# Altium PCB 底板20160428.PcbDoc (part 1 of 2) (continued)
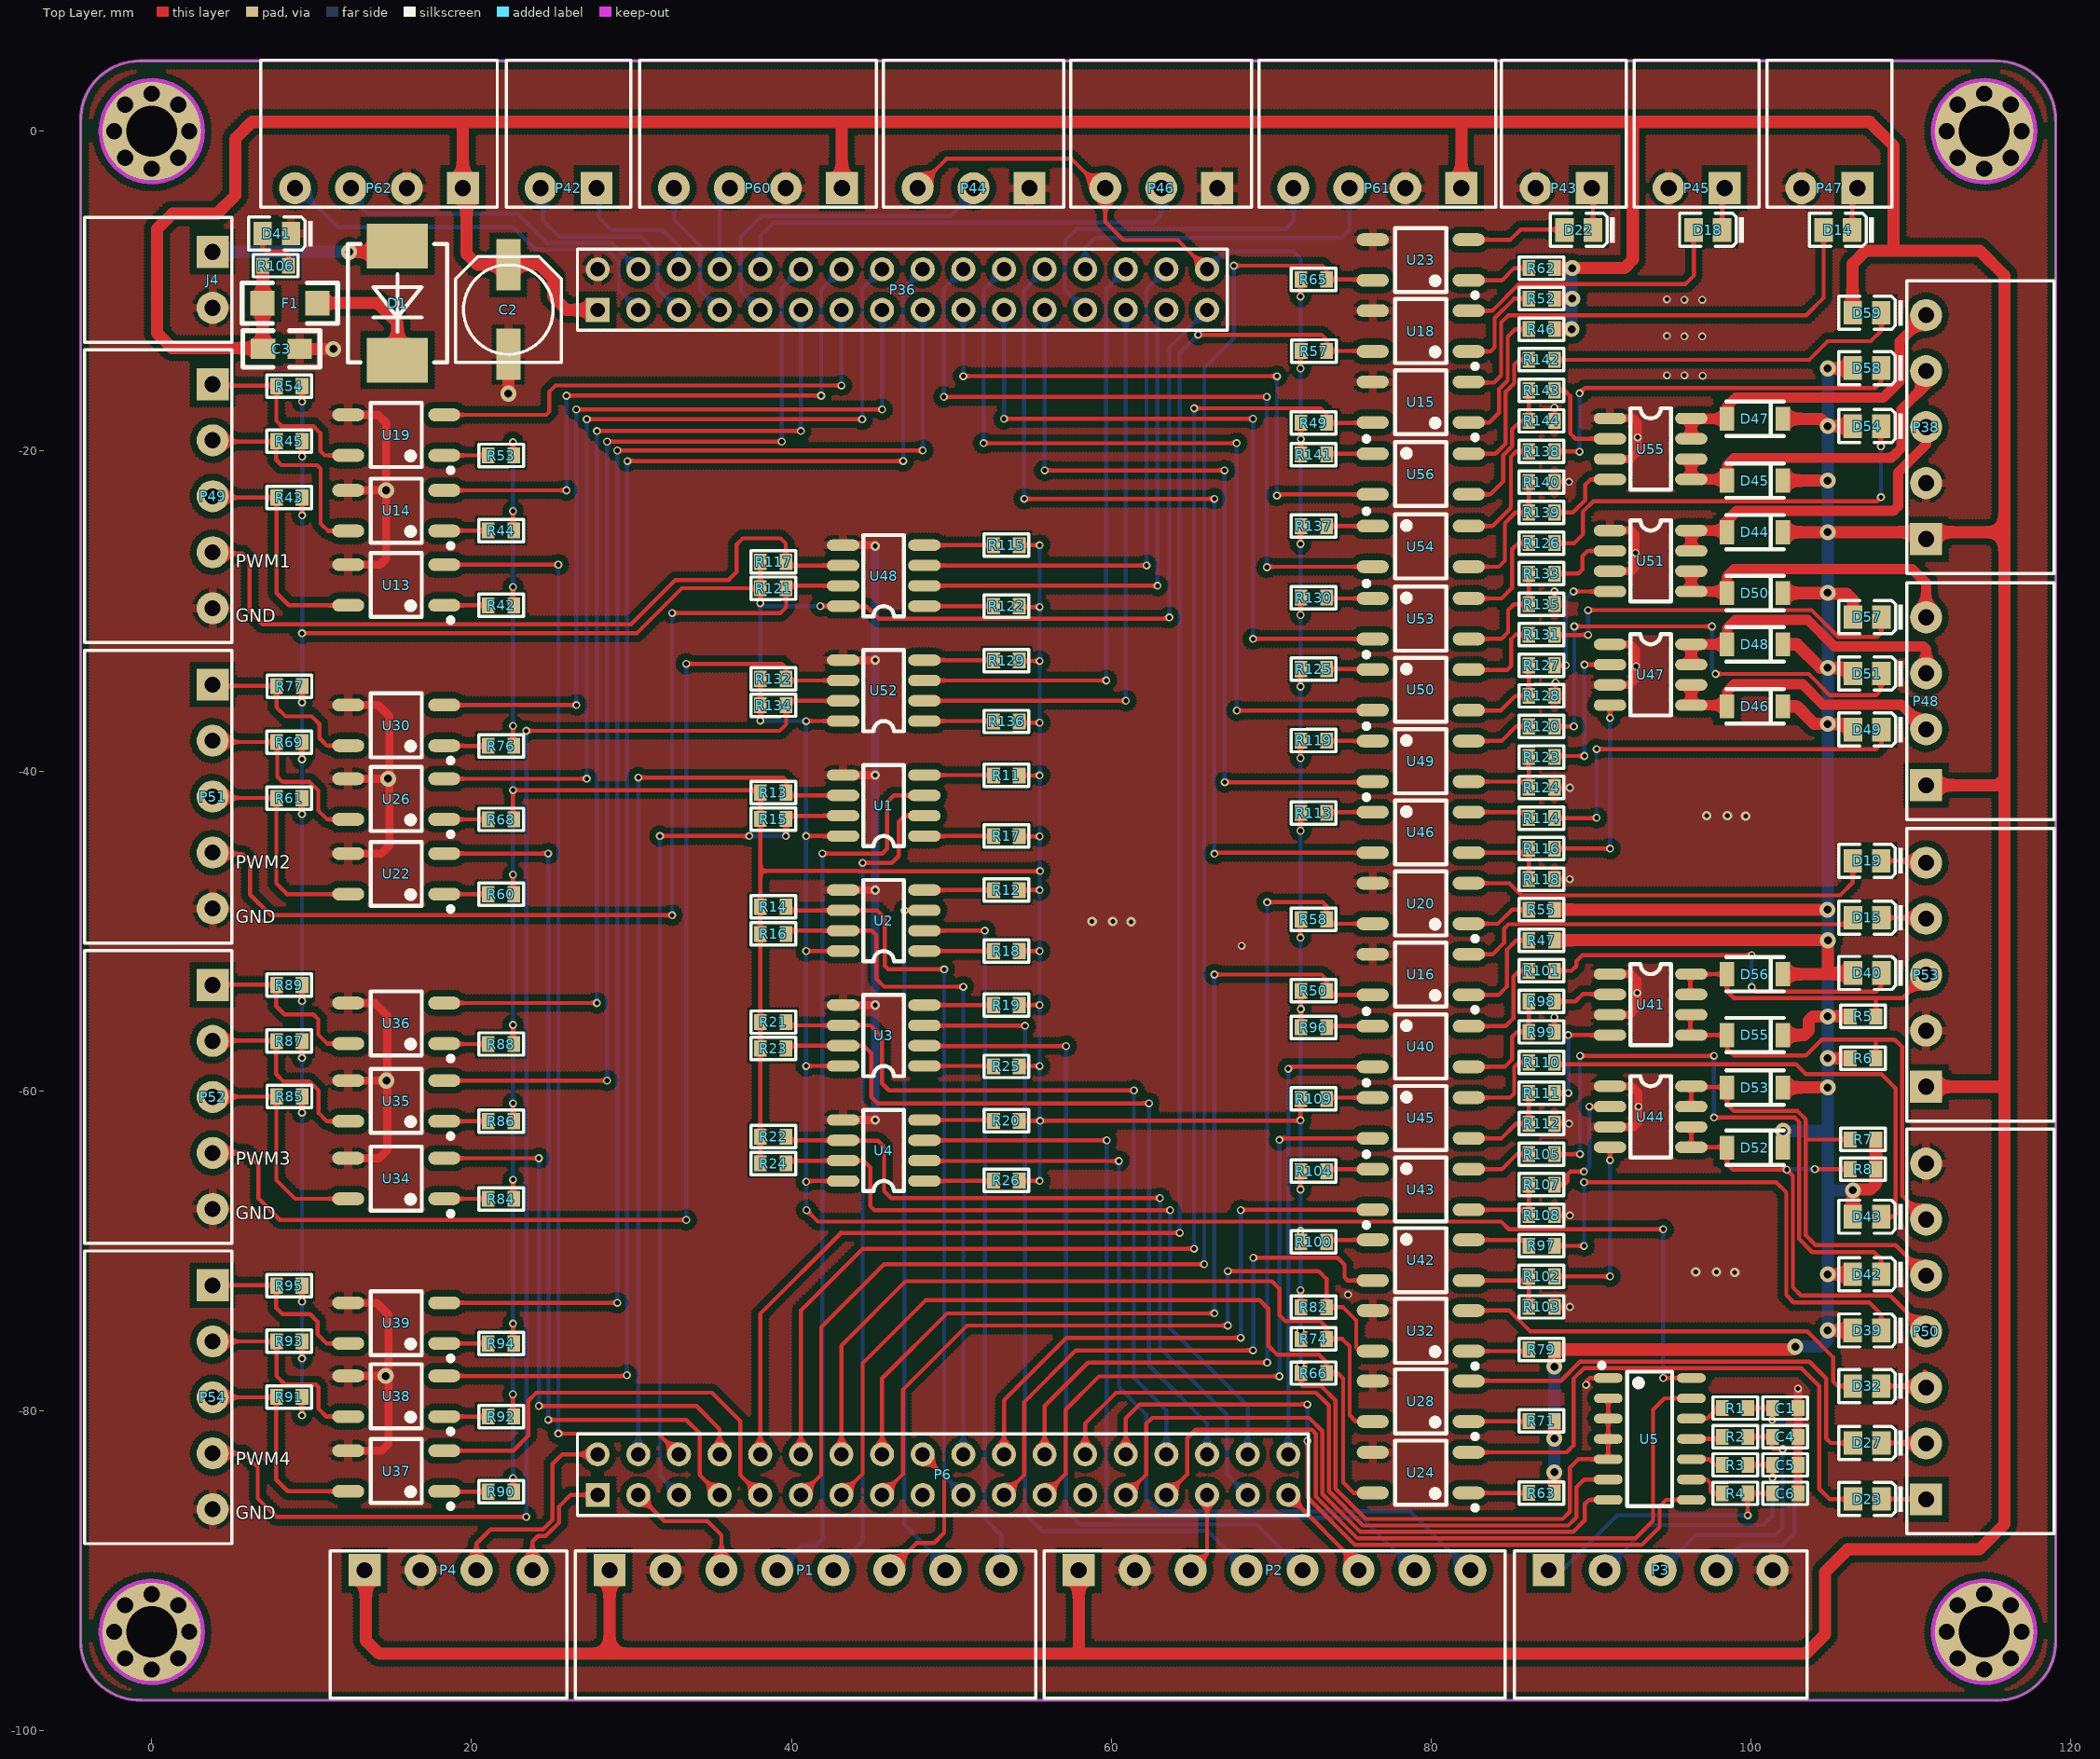
[diagram p0: Top Layer view]
## Components (designator, comment, footprint, x,y, rotation, side; value= is the part's Value field where it differs from the comment) (continued)
U46 "TLP127" LC-SOP-4_P2.54 76.352,-42.57 r0 top
U47 "AF4920GW" SO-8 91.186,-32.08 r0 top
U48 "HCPL0630" SO-8 48.311,-29.693 r180 top
U49 "TLP127" LC-SOP-4_P2.54 76.352,-38.125 r0 top
U50 "TLP127" LC-SOP-4_P2.54 76.352,-33.655 r0 top
U51 "AF4920GW" SO-8 91.186,-24.968 r0 top
U52 "HCPL0630" SO-8 48.311,-36.881 r180 top
U53 "TLP127" LC-SOP-4_P2.54 76.352,-29.21 r0 top
U54 "TLP127" LC-SOP-4_P2.54 76.352,-24.689 r0 top
U55 "AF4920GW" SO-8 91.186,-17.958 r0 top
U56 "TLP127" LC-SOP-4_P2.54 76.352,-20.168 r0 top
? "" "定位孔 Φ3.2" 0,-93.828 r0 top
? "" "定位孔 Φ3.2" 114.579,-93.828 r0 top
? "" "定位孔 Φ3.2" 114.579,0 r0 top
? "" "定位孔 Φ3.2" 0,0 r0 top

## Footprints (in the part's own frame and the unit in brackets; to place one, negate y for a bottom-side part, rotate by r counter-clockwise, add the part's x,y. Pads: shape width x height; smd on the part's side, far side on the other; paste and mask are expansions set on the pad)
0603 [mm]
  rect 0.8x1 smd: 1(-0.8,0) 2(0.8,0)
  silkscreen extent -1.4,-0.7 1.4,0.7, body extent -0.8,-0.37 0.8,0.43, height 0.45
0805 [mil]
  rect 60x50 smd: 1(0,0) 2(90,0)
  silkscreen extent -50,-45 140,45
1206 [mil]
  rect 60x60 smd: 1(0.22,-0.6) 2(135.22,-0.6)
  silkscreen extent -50,-51 185,49
CC6.56.5 [mm]
  rect 3.2x1.5 smd: 1(-2.794,0) 2(2.8,0)
  silkscreen extent -3.3,-3.3 3.3,3.3
DZ-2-3.5 [mm]
  rect 2x2 hole 1: 1(0,0)
  round 2 hole 1: 2(3.5,0)
  silkscreen extent -2.15,-8 5.65,1.2
DZ-3-3.5 [mm]
  rect 2x2 hole 1: 1(0,0)
  round 2 hole 1: 2(3.5,0) 3(7,0)
  silkscreen extent -2.15,-8 9.15,1.2
DZ-4-3.5 [mm]
  rect 2x2 hole 1: 1(0,0)
  round 2 hole 1: 2(3.5,0) 3(7,0) 4(10.5,0)
  silkscreen extent -2.15,-8 12.65,1.2
DZ-5-3.5 [mm]
  rect 2x2 hole 1: 1(0,0)
  round 2 hole 1: 2(3.5,0) 3(7,0) 4(10.5,0) 5(14,0)
  silkscreen extent -2.15,-8 16.15,1.2
DZ-7-3.5 [mm]
  rect 2x2 hole 1: 1(0,0)
  round 2 hole 1: 2(3.5,0) 3(7,0) 4(10.5,0) 5(14,0) 6(17.5,0) 7(21,0)
  silkscreen extent -2.15,-8 23.15,1.2
DZ-8-3.5 [mm]
  rect 2x2 hole 1: 1(0,0)
  round 2 hole 1: 2(3.5,0) 3(7,0) 4(10.5,0) 5(14,0) 6(17.5,0) 7(21,0) 8(24.5,0)
  silkscreen extent -2.15,-8 26.65,1.2
HDR2X16 [mm] "C"
  rect 1.5x1.5 hole 0.9: 1(0,0)
  round 1.5 hole 0.9: 2(0,2.54) 3(2.54,0) 4(2.54,2.54) 5(5.08,0) 6(5.08,2.54) 7(7.62,0) 8(7.62,2.54) 9(10.16,0) 10(10.16,2.54) 11(12.7,0) 12(12.7,2.54) 13(15.24,0) 14(15.24,2.54) 15(17.78,0) 16(17.78,2.54) 17(20.32,0) 18(20.32,2.54) 19(22.86,0) 20(22.86,2.54) 21(25.4,0) 22(25.4,2.54) 23(27.94,0) 24(27.94,2.54) 25(30.48,0) 26(30.48,2.54) 27(33.02,0) 28(33.02,2.54) 29(35.56,0) 30(35.56,2.54) 31(38.1,0) 32(38.1,2.54)
  silkscreen extent -1.27,-1.27 39.37,3.81
HDR2X18 [mm] "Connector"
  rect 1.5x1.5 hole 0.9: 1(0,0)
  round 1.5 hole 0.9: 2(0,2.54) 3(2.54,0) 4(2.54,2.54) 5(5.08,0) 6(5.08,2.54) 7(7.62,0) 8(7.62,2.54) 9(10.16,0) 10(10.16,2.54) 11(12.7,0) 12(12.7,2.54) 13(15.24,0) 14(15.24,2.54) 15(17.78,0) 16(17.78,2.54) 17(20.32,0) 18(20.32,2.54) 19(22.86,0) 20(22.86,2.54) 21(25.4,0) 22(25.4,2.54) 23(27.94,0) 24(27.94,2.54) 25(30.48,0) 26(30.48,2.54) 27(33.02,0) 28(33.02,2.54) 29(35.56,0) 30(35.56,2.54) 31(38.1,0) 32(38.1,2.54) 33(40.64,0) 34(40.64,2.54) 35(43.18,0) 36(43.18,2.54)
  silkscreen extent -1.27,-1.27 44.45,3.81
LC-0805_LED_S1 [mm]
  rect 1.16x1.47 smd: A(0.001,0) K(-1.779,0)
  silkscreen extent -3.13,-1.04 0.88,1.03, body extent -1.9,-0.62 0.12,0.62, height 1.1
LC-LL-34 [mm]
  rect 0.9x1.5 smd: 1(3.5,0) 2(0,0)
  silkscreen extent -0.05,-1.08 3.55,1.07
LC-SMC(DO-214AB)_S2 [mil]
  rect 110x150 smd: 1(140.49,0) 2(-140.49,0)
  silkscreen extent -146,-122 146,122
LC-SOIC-14_150mil [mm]
  oval 0.6x1.8 smd: 1(-3.81,-2.6) 2(-2.54,-2.6) 3(-1.27,-2.6) 4(0,-2.6) 5(1.27,-2.6) 6(2.54,-2.6) 7(3.81,-2.6) 8(3.81,2.6) 9(2.54,2.6) 10(1.27,2.6) 11(0,2.6) 12(-1.27,2.6) 13(-2.54,2.6) 14(-3.81,2.6)
  silkscreen extent -4.75,-3.15 4.2,1.4
LC-SOP-4_P2.54 [mm]
  oval 2x0.8 smd: 1(0,0) 2(0,-2.54) 3(6,-2.54) 4(6,0)
  silkscreen extent -0.55,-3.27 4.6,1.08
SO-8 [mil]
  oval 80x28 smd: 1(0,0) 2(0,-50) 3(0,-100) 4(0,-150) 5(200,-150) 6(200,-100) 7(200,-50) 8(200,0)
  silkscreen extent 50,-175 150,25
"定位孔 Φ3.2" [mm]
  round 1 hole 1 unplated: 1(-2.35,0) 1(-1.662,-1.662) 1(-1.662,1.662) 1(0,-2.35) 1(0,2.35) 1(1.662,-1.662) 1(1.662,1.662) 1(2.35,0)
  round 6.2 hole 3.2: 1(0,0)
  Keep-Out Layer circle w0.254: c0,0 r3.2

## Part data
D1: library part DI
D14 D15 D18 D19 D22 D23 D27 D32 D39 D40 D41 D42 D43 D49 D51 D54 D57 D58 D59: "Typi"
D44 D45 D46 D47 D48 D50 D52 D53 D55 D56: library part DIODE, "Di"
F1: library part Fus
J4: "Connec"
P1 P2: library part "Header 8", "Head"
P3: library part "Header 5", "Head"
P4 P61: library part "Header 4", "Head"
P6: "Header, 18-Pin, Dual row"
P36: "Header, 16-Pin, Dual row"
P38 P49 P51 P52 P53 P54: library part "Header 5", "Header, 5-"
P42 P43 P45: library part "Header 2", "Header, 2-"
P44 P46: library part "Header 3", "Header, 3-"
P47: library part "Header 2", "Head"
P48 P60 P62: library part "Header 4", "Header, 4-"
P50: library part "Header 7", "Header, 7-"
U5: library part Co
U41 U44 U47 U51 U55: library part AF49
U48 U52: library part HCPL0

## Via types
v1: diameter 0.5, hole 0.3, Top Layer to Bottom Layer, tented both sides, 227 vias
v2: diameter 1, hole 0.5, Top Layer to Bottom Layer, tented both sides, 30 vias
v3: diameter 0.6, hole 0.3, Top Layer to Bottom Layer, tented both sides, 15 vias

## Nets (pads, with @x,y where several pads share a name; then routed paths per layer and width w, separated by ;. In a path a pad name is that pad's centre, name@x,y a point inside that pad or via, vN(x,y) a via of type N, cw(c..) or ccw(c..) an arc to the next point about the centre after c; other vN are vias at no path point)
BY_KC1: P36.21 U53.2 | length 43.7
  Top Layer w0.254: v1(53.289,-17.983) v1(68.859,-17.983) ; v1(68.867,-31.742) U53.2@76.398,-31.742
  Bottom Layer w0.254: v1(53.289,-17.983) P36.21@53.289,-11.176 ; v1@68.859,-31.742 v1(68.859,-17.983)
BY_KC2: P36.20 U54.2 | length 46.2
  Top Layer w0.254: v1(49.53,-16.612) v1(69.723,-16.612) ; v1@69.952,-27.263 v1(69.732,-27.263) 69.766,-27.229 U54.2@76.352,-27.229
  Bottom Layer w0.254: v1(49.53,-16.612) 49.53,-9.855 P36.20@50.749,-8.636 ; v1@69.723,-27.263 v1(69.723,-16.612)
BY_KC3: P36.19 U56.2 | length 37.2
  Top Layer w0.254: v1(50.749,-15.316) v1(70.358,-15.316) ; v1(70.358,-22.784) 70.434,-22.708 U56.2@76.352,-22.708
  Bottom Layer w0.254: v1(50.749,-15.316) P36.19@50.749,-11.176 ; v1(70.358,-22.784) v1(70.358,-15.316)
BY_KC11: D44.1 P38.3 U51.7 U51.8 | length 21.9
  Top Layer w0.254: D44.1@98.4,-24.968 D44.1@98.501,-25.07 D44.1@98.501,-24.333
  Top Layer w0.635: U51.7@96.266,-26.238 U51.8@96.266,-24.968 98.4,-24.968 D44.1@98.501,-25.07 98.501,-24.333 99.098,-23.736 108.902,-23.736 109.195,-23.444 109.195,-21.336 110.947,-19.583 P38.3@110.947,-18.502
BY_KC22: D45.1 P38.4 U55.5 U55.6 | length 32.7
  Top Layer w0.254: 98.501,-20.879 D45.1@98.501,-21.844 ; 98.95,-20.43 99.111,-20.269 108.941,-20.269 ; P38.4@110.871,-14.875 P38.4@110.947,-14.798 ; D45.1@98.501,-21.844 98.425,-21.768 D45.1@98.501,-21.844
  Top Layer w0.635: U55.6@96.266,-20.498 U55.5@96.266,-21.768 98.425,-21.768 D45.1@98.501,-21.844 98.501,-20.879 98.95,-20.43 108.78,-20.43 108.941,-20.269 109.398,-19.812 109.398,-17.399 110.871,-15.926 P38.4@110.871,-14.875
BY_KC33: D47.1 P38.5 U55.7 U55.8 | length 23.8
  Top Layer w0.254: D47.1@98.425,-17.958 98.45,-17.983 98.476,-18.009 D47.1@98.501,-17.983 98.501,-17.196 ; 109.499,-12.949 109.499,-12.746 P38.5@110.947,-11.298
  Top Layer w0.635: U55.7@96.266,-19.228 U55.8@96.266,-17.958 96.291,-17.983 98.45,-17.983 D47.1@98.501,-17.983 ; D47.1@98.425,-17.958 98.476,-17.958 D47.1@98.501,-17.983 ; P38.5@110.947,-11.502 109.499,-12.949 109.296,-13.153 109.296,-15.636 108.282,-16.65 99.047,-16.65 98.501,-17.196 D47.1@98.501,-17.983
CAN2_H: P4.3 P6.2 | length 13.6
  Top Layer w0.254: P4.3@20.31,-89.967 20.31,-88.301 21.184,-87.427 24.46,-87.427 25.07,-86.817 25.07,-83.312 25.654,-82.728 P6.2@27.889,-82.728
CAN2_L: P4.4 P6.1 | length 7.7
  Top Layer w0.254: P4.4@23.81,-89.967 23.81,-88.179 24.155,-87.833 24.629,-87.833 25.476,-86.986 25.476,-85.979 26.187,-85.268 P6.1@27.889,-85.268
  Bottom Layer w0.254: P6.1@27.889,-85.293 P6.1@27.889,-85.268
CAN_H: P36.25 P61.4 | length 21.7
  Bottom Layer w0.254: P36.25@58.369,-11.176 57.099,-9.906 57.099,-6.858 57.836,-6.121 70.866,-6.121 71.39,-5.598 P61.4@71.39,-3.556
CAN_L: P36.26 P61.3 | length 21
  Bottom Layer w0.254: P36.26@58.369,-8.636 58.369,-7.264 58.953,-6.68 74.371,-6.68 74.89,-6.162 P61.3@74.89,-3.556
CLK: P6.27 U5.7 | length 40.7
  Top Layer w0.254: P6.27@60.909,-85.268 62.179,-83.998 62.179,-80.823 62.56,-80.442 72.363,-80.442 73.199,-81.277 73.199,-85.204 75.574,-87.579 88.875,-87.579 89.611,-86.843 89.611,-85.827 89.865,-85.573 U5.7@91.07,-85.573
DAC1: C1.2 P3.4 R1.1 | length 16.3
  Top Layer w0.254: R1.1@99.809,-79.832 101.27,-79.832 101.295,-79.807 101.321,-79.832 v1(101.321,-80.569)
  Bottom Layer w0.254: P3.4@97.851,-89.967 99.4,-88.417 101.956,-88.417 102.718,-87.655 102.718,-80.975 102.337,-80.594 101.346,-80.594 v1(101.321,-80.569)
DAC2: C4.2 P3.3 R2.1 | length 16.6
  Top Layer w0.254: R2.1@99.809,-81.636 C4.2@101.295,-81.636 ; C4.2@101.27,-81.61 C4.2@101.295,-81.636 ; C4.2@101.346,-81.636 C4.2@101.295,-81.636 ; v1(101.981,-82.398) 101.397,-82.398 101.295,-82.296 C4.2@101.295,-81.636
  Bottom Layer w0.254: P3.3@94.351,-89.967 96.535,-87.782 101.498,-87.782 101.981,-87.3 v1(101.981,-82.398)
DAC3: C5.2 P3.2 R3.1 | length 16.6
  Top Layer w0.254: R3.1@99.809,-83.388 101.295,-83.388 101.321,-83.363 C5.2@101.346,-83.388 v1@101.346,-84.099
  Bottom Layer w0.254: P3.2@90.851,-89.967 93.67,-87.147 100.762,-87.147 101.346,-86.563 v1(101.346,-84.176)
DAC4: C6.2 P3.1 R4.1 | length 16.8
  Top Layer w0.254: v1(99.797,-86.538) 99.797,-85.179 R4.1@99.809,-85.166 101.27,-85.166 101.295,-85.141 C6.2@101.321,-85.166
  Bottom Layer w0.254: P3.1@87.351,-89.967 88.214,-89.967 91.643,-86.538 v1(99.797,-86.538)
DATA: P6.26 U5.6 | length 44.3
  Top Layer w0.254: P6.26@58.369,-82.728 58.369,-80.797 60.3,-78.867 72.796,-78.867 73.605,-79.676 73.605,-85.035 75.743,-87.173 88.57,-87.173 89.078,-86.665 89.078,-84.785 89.56,-84.303 U5.6@91.07,-84.303
DJ1_KC1: P6.6 U13.2 | length 69.5
  Top Layer w0.254: U13.2@18.288,-27.102 v1(25.425,-27.102) ; v1(25.425,-81.432) 31.674,-81.432 P6.6@32.969,-82.728
  Bottom Layer w0.254: v1(25.425,-81.432) v1(25.425,-27.102)
DJ1_KC2: P36.14 U14.2 | length 37.9
  Top Layer w0.254: U14.2@18.288,-22.454 v1(25.933,-22.454) ; v1(25.933,-16.535) 25.941,-16.528 41.852,-16.528 v1(41.859,-16.535)
  Bottom Layer w0.254: v1(25.933,-22.454) v1(25.933,-16.535) ; v1(41.859,-16.535) 41.859,-9.906 P36.14@43.129,-8.636
DJ1_KC3: P36.13 U19.2 | length 31.1
  Top Layer w0.254: U19.2@18.288,-17.729 24.663,-17.729 24.867,-17.526 24.867,-16.281 25.248,-15.9 v1(43.129,-15.9)
  Bottom Layer w0.254: v1(43.129,-15.9) P36.13@43.129,-11.176
DJ1_KC11: P49.3 R43.1 U13.4 | length 14.8
  Top Layer w0.254: P49.3@3.81,-22.908 7.799,-22.908 R43.1@7.803,-22.904 7.803,-28.885 8.56,-29.642 U13.4@12.288,-29.642
DJ1_KC22: P49.2 R45.1 U14.4 | length 13.5
  Top Layer w0.254: P49.2@3.81,-19.408 R45.1@7.775,-19.408 ; R45.1@7.803,-19.38 R45.1@7.775,-19.408 ; U14.4@12.288,-24.994 11.024,-24.994 10.566,-24.536 10.566,-21.107 10.338,-20.879 8.103,-20.879 7.775,-20.551 R45.1@7.775,-19.408
DJ1_KC33: P49.1 R54.1 U19.4 | length 12.2
  Top Layer w0.254: P49.1@3.81,-15.908 7.767,-15.908 R54.1@7.803,-15.944 7.798,-15.949 7.798,-18.11 8.128,-18.44 10.109,-18.44 10.541,-18.872 10.541,-19.99 10.82,-20.269 U19.4@12.288,-20.269
DJ2_KC1: P6.7 U22.2 | length 56.1
  Top Layer w0.254: U22.2@18.288,-45.161 v1(24.79,-45.161) ; v1(24.79,-80.569) 33.426,-80.569 34.265,-81.407 34.265,-84.023 P6.7@35.509,-85.268
  Bottom Layer w0.254: v1(24.79,-80.569) v1(24.79,-45.161)
DJ2_KC2: P36.16 U26.2 | length 58.5
  Top Layer w0.254: U26.2@18.288,-40.488 v1(27.203,-40.488) ; v1(27.203,-18.009) v1(44.425,-18.009)
  Bottom Layer w0.254: v1(27.203,-40.488) v1(27.203,-18.009) ; v1(44.425,-18.009) 44.425,-9.881 P36.16@45.669,-8.636
DJ2_KC3: P36.15 U30.2 | length 52.1
  Top Layer w0.254: U30.2@18.288,-35.879 v1(26.557,-35.879) ; v1(26.543,-17.399) v1(45.669,-17.399)
  Bottom Layer w0.254: v1(26.557,-35.879) v1@26.557,-17.399 ; v1(45.669,-17.399) P36.15@45.669,-11.176
DJ2_KC11: P51.3 R61.1 U22.4 | length 14.1
  Top Layer w0.254: P51.3@3.81,-41.688 R61.1@7.79,-41.688 ; R61.1@7.803,-41.7 R61.1@7.79,-41.688 ; U22.4@12.288,-47.701 8.458,-47.701 7.79,-47.033 R61.1@7.79,-41.688
DJ2_KC22: P51.2 R69.1 U26.4 | length 12.5
  Top Layer w0.254: P51.2@3.81,-38.188 7.796,-38.188 R69.1@7.803,-38.195 7.849,-38.241 7.849,-40.361 8.179,-40.691 9.881,-40.691 10.414,-41.224 10.414,-42.469 10.973,-43.028 U26.4@12.288,-43.028
DJ2_KC33: P51.1 R77.1 U30.4 | length 11.5
  Top Layer w0.254: P51.1@3.81,-34.688 R77.1@7.802,-34.688 ; R77.1@7.95,-34.836 R77.1@7.811,-34.696 R77.1@7.802,-34.688 ; U30.4@12.288,-38.419 10.961,-38.419 10.49,-37.948 10.49,-37.072 10.008,-36.59 8.37,-36.59 7.802,-36.021 R77.1@7.802,-34.688
DJ3_KC1: P6.8 U34.2 | length 34.9
  Top Layer w0.254: U34.2@18.288,-64.211 v1(24.206,-64.211) ; v1(24.206,-79.705) 34.061,-79.705 35.509,-81.153 P6.8@35.509,-82.728
  Bottom Layer w0.254: v1(24.206,-79.705) v1(24.206,-64.211)
DJ3_KC2: P36.12 U35.2 | length 72.3
  Top Layer w0.254: U35.2@18.288,-59.36 v1(28.473,-59.36) ; v1(28.473,-19.406) v1(39.395,-19.406)
  Bottom Layer w0.254: v1(28.473,-59.36) v1(28.473,-19.406) ; v1(39.395,-19.406) 39.395,-9.83 P36.12@40.589,-8.636
DJ3_KC3: P36.11 U36.2 | length 65.6
  Top Layer w0.254: U36.2@18.288,-54.508 v1(27.838,-54.508) ; v1(27.838,-18.745) v1(40.589,-18.745)
  Bottom Layer w0.254: v1(27.838,-54.508) v1(27.838,-18.745) ; v1(40.589,-18.745) P36.11@40.589,-11.176
DJ3_KC11: P52.3 R85.1 U34.4 | length 14.2
  Top Layer w0.254: P52.3@3.81,-60.364 R85.1@7.797,-60.364 ; R85.1@7.811,-60.35 R85.1@7.797,-60.364 ; U34.4@12.288,-66.751 8.966,-66.751 7.797,-65.582 R85.1@7.797,-60.364
DJ3_KC22: P52.2 R87.1 U35.4 | length 12.6
  Top Layer w0.254: P52.2@3.81,-56.864 R87.1@7.778,-56.864 ; R87.1@7.803,-56.889 R87.1@7.778,-56.864 ; U35.4@12.288,-61.9 10.947,-61.9 10.439,-61.392 10.439,-59.995 9.855,-59.411 8.23,-59.411 7.778,-58.959 R87.1@7.778,-56.864
DJ3_KC33: P52.1 R89.1 U36.4 | length 11.4
  Top Layer w0.254: P52.1@3.81,-53.364 R89.1@7.783,-53.364 ; R89.1@7.803,-53.384 R89.1@7.783,-53.364 ; U36.4@12.288,-57.048 10.973,-57.048 10.414,-56.49 10.414,-55.524 10.109,-55.22 8.306,-55.22 7.783,-54.697 R89.1@7.783,-53.364
DJ4_KC1: P6.9 U37.2 | length 27.2
  Top Layer w0.254: U37.2@18.288,-82.499 22.606,-82.499 23.546,-81.559 23.546,-79.375 24.054,-78.867 35.027,-78.867 36.805,-80.645 36.805,-84.023 P6.9@38.049,-85.268
DJ4_KC2: P36.18 U38.2 | length 98.3
  Top Layer w0.254: U38.2@18.288,-77.826 v1@29.667,-77.826 ; v1(29.743,-20.625) v1(46.99,-20.625)
  Bottom Layer w0.254: v1@29.743,-77.8 v1(29.718,-77.775) 29.718,-20.65 v1(29.743,-20.625) ; v1(46.99,-20.625) 46.99,-9.855 P36.18@48.209,-8.636
DJ4_KC3: P36.17 U39.2 | length 92
  Top Layer w0.254: U39.2@18.288,-73.254 v1(29.108,-73.254) ; v1(29.108,-19.964) v1(48.209,-19.964)
  Bottom Layer w0.254: v1(29.108,-73.254) v1(29.108,-19.964) ; v1(48.209,-19.964) P36.17@48.209,-11.176
DJ4_KC11: P54.3 R91.1 U37.4 | length 14
  Top Layer w0.254: P54.3@3.81,-79.161 R91.1@7.781,-79.161 ; R91.1@7.803,-79.14 R91.1@7.781,-79.161 ; U37.4@12.288,-85.039 8.509,-85.039 7.781,-84.311 R91.1@7.781,-79.161
DJ4_KC22: P54.2 R93.1 U38.4 | length 12.5
  Top Layer w0.254: P54.2@3.81,-75.661 R93.1@7.801,-75.661 ; R93.1@7.803,-75.66 R93.1@7.801,-75.661 ; U38.4@12.288,-80.366 10.922,-80.366 10.439,-79.883 10.439,-78.537 10.263,-78.36 8.332,-78.36 7.801,-77.829 R93.1@7.801,-75.661
DJ4_KC33: P54.1 R95.1 U39.4 | length 11.3
  Top Layer w0.254: P54.1@3.81,-72.161 R95.1@7.784,-72.161 ; R95.1@7.803,-72.18 R95.1@7.784,-72.161 ; U39.4@12.288,-75.794 10.947,-75.794 10.363,-75.209 10.363,-74.422 9.906,-73.965 8.179,-73.965 7.784,-73.57 R95.1@7.784,-72.161
DWQ1: P36.9 P44.2 | length 21.1
  Bottom Layer w0.254: P36.9@38.049,-11.176 36.83,-9.957 36.83,-6.604 38.125,-5.309 49.936,-5.309 51.364,-3.881 P44.2@51.364,-3.556
DWQ2: P36.10 P46.2 | length 29.4
  Bottom Layer w0.254: P36.10@38.049,-8.636 38.049,-6.579 38.913,-5.715 62.662,-5.715 63.124,-5.253 P46.2@63.124,-3.556
GND24_B: C1.1 C2.2 C3.2 C4.1 C5.1 C6.1 D41.K J4.2 P1.2 P2.2 P3.5 P4.2 P36.2 P38.2 P43.2 P44.1 P45.2 P46.1 P47.2 P49.5 P50.7 P51.5 P52.5 P53.2 P54.5 P60.2 P61.2 P62.2 R99.1 R103.1 R108.1 R112.1 R118.1 R124.1 R128.1 R135.1 R140.1 R144.1 U1.5 U2.5 U3.5 U4.5 U5.1 U13.3 U14.3 U15.3 U16.3 U18.3 U19.3 U20.3 U22.3 U23.3 U24.3 U26.3 U28.3 U30.3 U32.3 U34.3 U35.3 U36.3 U37.3 U38.3 U39.3 U41.1 U41.3 U44.1 U44.3 U47.1 U47.3 U48.5 U51.1 U51.3 U52.5 U55.1 U55.3 | length 161.7
  Top Layer w0.254: R103.1@87.706,-73.508 v1(88.671,-73.508) ; R108.1@87.706,-67.777 88.656,-67.777 v1(88.671,-67.793) ; R112.1@87.706,-62.046 88.615,-62.046 v1(88.621,-62.052) ; R99.1@87.706,-56.316 v1(87.706,-55.397) ; R118.1@87.706,-46.764 v1(88.668,-46.764) v1@88.671,-46.761 ; R124.1@87.706,-41.034 88.659,-41.034 v1(88.671,-41.046) ; R128.1@87.706,-35.303 87.782,-35.227 v1(87.782,-34.468) ; R135.1@87.706,-29.572 v1(87.706,-28.778) ; R140.1@87.706,-21.931 88.609,-21.931 v1(88.621,-21.92) ; R144.1@87.706,-18.111 v1(87.706,-17.272) ; v1(89.687,-78.384) 89.687,-78.181 89.916,-77.953 U5.1@91.07,-77.953 ; U41.1@91.135,-52.705 U41.1@91.161,-52.68
  Top Layer w0.508: U37.3@12.288,-82.499 14.376,-82.499 14.808,-82.067 14.808,-73.99 14.072,-73.254 U39.3@12.288,-73.254 ; U38.3@12.288,-77.826 v2(14.63,-77.826) ; U34.3@12.288,-64.211 14.224,-64.211 14.732,-63.703 14.732,-55.296 13.945,-54.508 U36.3@12.288,-54.508 ; U35.3@12.288,-59.36 v2(14.681,-59.36) ; U22.3@12.288,-45.161 14.351,-45.161 14.859,-44.653 14.859,-36.576 14.162,-35.879 U30.3@12.288,-35.879 ; U26.3@12.288,-40.488 v2(14.783,-40.488) ; U13.3@12.288,-27.102 14.275,-27.102 14.656,-26.721 v2(14.656,-22.454) ; U14.3@12.288,-22.454 v2(14.656,-22.454) ; U19.3@12.288,-17.729 14.148,-17.729 14.656,-18.237 v2(14.656,-22.454) ; U4.5@43.231,-61.824 v3(45.237,-61.824) ; U3.5@43.231,-54.635 v3(45.237,-54.635) ; U2.5@43.231,-47.447 v3(45.237,-47.447) ; U1.5@43.231,-40.259 v3(45.237,-40.259) ; U52.5@43.231,-33.071 v3(45.237,-33.071) ; U48.5@43.231,-25.883 45.187,-25.883 v3(45.237,-25.933) ; U41.3@91.135,-55.245 92.405,-55.245 92.888,-54.762 v1(92.888,-53.873) 92.888,-53.061 92.507,-52.68 U41.1@91.161,-52.68 ; U44.3@91.186,-62.255 92.685,-62.255 92.964,-61.976 v1(92.964,-60.985) 92.964,-60.122 92.558,-59.715 U44.1@91.186,-59.715 ; U47.3@91.186,-34.62 92.405,-34.62 92.812,-34.214 v1(92.812,-33.452) 92.812,-32.436 92.456,-32.08 U47.1@91.186,-32.08 ; U51.3@91.186,-27.508 92.532,-27.508 92.786,-27.254 v1(92.786,-26.365) 92.786,-25.222 92.507,-24.943 91.211,-24.943 U51.1@91.186,-24.968 ; U55.3@91.186,-20.498 92.481,-20.498 92.913,-20.066 v1(92.913,-19.139) 92.913,-18.212 92.659,-17.958 U55.1@91.338,-17.958 ; C6.1@102.946,-85.166 C5.1@102.946,-83.388 C4.1@102.946,-81.636 C1.1@102.946,-79.832 v1(102.946,-78.613)
  Top Layer w0.762: C3.2@9.246,-13.614 v2(11.354,-13.614) ; v2(22.301,-16.408) C2.2@22.301,-13.951
  Bottom Layer w0.508: v3(45.237,-61.824) v3(45.237,-54.635) v3(45.237,-47.447) v3(45.237,-40.259) v3(45.237,-33.071) v3(45.237,-25.933)
  other v1: 74.803,-72.746 68.148,-50.927 96.977,-15.291 94.742,-15.265 95.834,-15.265 95.834,-12.827 96.952,-12.827 94.742,-12.802 95.834,-10.541 96.952,-10.541 94.742,-10.516
  other v3: 98.984,-71.349 96.545,-71.323 97.841,-71.323 61.239,-49.428 58.801,-49.403 60.096,-49.403 99.67,-42.824 97.231,-42.799 98.527,-42.799
IN_2: P6.4 R13.1 U1.6 | length 56.1
  Top Layer w0.254: v1(30.429,-40.411) 39.497,-40.411 39.726,-40.64 R13.1@39.726,-41.288 ; R13.1@39.662,-41.351 R13.1@39.726,-41.288 ; U1.6@43.231,-41.529 39.967,-41.529 R13.1@39.726,-41.288
  Bottom Layer w0.254: P6.4@30.429,-82.728 v1(30.429,-40.411)
IN_3: P6.5 R15.2 U1.7 | length 54.3
  Top Layer w0.254: v1(31.775,-44.069) v1(37.363,-44.069) ; v1(39.649,-44.069) 39.649,-43.015 R15.2@39.662,-43.002 39.865,-42.799 U1.7@43.231,-42.799
  Bottom Layer w0.254: v1(31.775,-44.069) 31.775,-84.074 P6.5@32.969,-85.268 ; v1(37.363,-44.069) v1(39.649,-44.069)
IN_13: P6.19 R14.1 U2.6 | length 46.6
  Top Layer w0.254: R14.1@39.662,-48.489 39.891,-48.717 U2.6@43.231,-48.717 45.364,-48.717 45.847,-49.2 45.847,-52.197 46.05,-52.4 v1(49.555,-52.4)
  Bottom Layer w0.254: v1(49.555,-52.4) 49.555,-84.074 P6.19@50.749,-85.268
IN_14: P6.20 R16.2 U2.7 | length 43.5
  Top Layer w0.254: R16.2@39.662,-50.19 39.865,-49.987 U2.7@43.231,-49.987 45.034,-49.987 45.314,-50.267 45.314,-53.01 45.796,-53.492 v1(50.749,-53.492)
  Bottom Layer w0.254: P6.20@50.749,-82.728 v1(50.749,-53.492)
IN_19: P6.30 R21.1 U3.6 | length 48.8
  Top Layer w0.254: R21.1@39.662,-55.702 39.865,-55.905 U3.6@43.231,-55.905 44.933,-55.905 45.669,-56.642 45.669,-59.538 46.101,-59.969 v1(61.417,-59.969)
  Bottom Layer w0.254: v1(61.417,-59.969) 61.417,-77.927 63.449,-79.959 P6.30@63.449,-82.728
IN_21: P6.32 R23.2 U3.7 | length 49.4
  Top Layer w0.254: R23.2@39.662,-57.353 39.84,-57.175 U3.7@43.231,-57.175 44.425,-57.175 44.475,-57.125 44.983,-57.633 44.983,-60.376 45.39,-60.782 v1(62.357,-60.782)
  Bottom Layer w0.254: v1(62.357,-60.782) 62.357,-77.165 62.713,-77.521 65.989,-80.797 P6.32@65.989,-82.728
IN_22: P6.33 R22.1 U4.6 | length 47.4
  Top Layer w0.254: R22.1@39.662,-62.865 39.891,-63.094 U4.6@43.231,-63.094 43.256,-63.119 45.415,-63.119 45.796,-63.5 45.796,-66.269 46.228,-66.7 v1(63.043,-66.7)
  Bottom Layer w0.254: v1(63.043,-66.7) 63.043,-76.073 67.234,-80.264 67.234,-83.972 P6.33@68.529,-85.268
IN_23: P6.34 R24.2 U4.7 | length 44.1
  Top Layer w0.254: R24.2@39.662,-64.541 39.84,-64.364 U4.7@43.231,-64.364 44.501,-64.364 44.933,-64.795 44.933,-67.208 45.187,-67.462 v1(63.678,-67.462)
  Bottom Layer w0.254: v1(63.678,-67.462) 63.678,-74.854 68.529,-79.705 P6.34@68.529,-82.728
INPUT_1: P1.3 P6.3 | length 8.4
  Top Layer w0.254: P6.3@30.429,-85.268 32.055,-86.893 34.747,-86.893 35.626,-87.772 P1.3@35.626,-89.967
INPUT_2: P1.4 U1.3 | length 56.1
  Top Layer w0.254: v1(41.935,-45.161) 45.695,-45.161 45.974,-44.882 45.974,-41.961 46.406,-41.529 U1.3@48.311,-41.529
  Bottom Layer w0.254: P1.4@39.126,-89.967 40.65,-88.443 41.529,-88.443 41.935,-88.036 41.935,-87.732 v1(41.935,-45.161)
INPUT_3: P1.5 U1.2 | length 51.3
  Top Layer w0.254: v1(44.45,-45.745) 46.279,-45.745 46.711,-45.314 46.711,-43.18 47.092,-42.799 U1.2@48.311,-42.799
  Bottom Layer w0.254: P1.5@42.626,-89.967 44.45,-88.143 44.45,-87.452 v1(44.45,-45.745)
INPUT_4: P6.10 R57.1 U18.4 | length 105.6
  Top Layer w0.254: P6.10@38.049,-82.728 38.049,-73.939 43.129,-68.859 43.155,-68.885 v1(64.287,-68.885) ; v1(65.43,-12.725) 73.152,-12.725 73.469,-13.043 R57.1@73.469,-13.741 U18.4@76.474,-13.741
  Bottom Layer w0.254: v1(64.287,-68.885) 64.287,-13.868 v1(65.43,-12.725)
INPUT_5: P6.11 R65.1 U23.4 | length 109.2
  Top Layer w0.254: P6.11@40.589,-85.268 41.859,-83.998 41.859,-74.778 45.796,-70.841 v1(65.811,-70.841) ; v1(67.666,-8.407) 73.203,-8.407 73.457,-8.661 R65.1@73.457,-9.271 U23.4@76.398,-9.271
  Bottom Layer w0.254: v1(65.811,-70.841) 65.811,-14.808 67.666,-12.954 v1(67.666,-8.407)
INPUT_6: P6.12 R49.1 U15.4 | length 99.6
  Top Layer w0.254: P6.12@40.589,-82.728 40.589,-73.736 44.45,-69.875 v1(65.176,-69.875) ; v1(65.176,-17.323) 73.101,-17.323 73.457,-17.678 R49.1@73.457,-18.237 U15.4@76.321,-18.237
  Bottom Layer w0.254: v1(65.176,-69.875) v1(65.176,-17.323)
INPUT_7: P6.13 R66.1 U24.4 | length 52.9
  Top Layer w0.254: P6.13@43.129,-85.268 44.45,-83.947 44.45,-77.038 48.412,-73.076 69.266,-73.076 69.825,-73.635 69.825,-75.946 70.383,-76.505 73,-76.505 73.457,-76.962 R66.1@73.457,-77.648 74.168,-77.648 74.498,-77.978 74.498,-84.48 75.159,-85.141 U24.4@76.398,-85.141
INPUT_8: P6.14 R74.1 U28.4 | length 49.3
  Top Layer w0.254: P6.14@43.129,-82.728 43.129,-75.921 47.142,-71.907 70.053,-71.907 70.51,-72.365 70.51,-74.016 70.891,-74.397 73.076,-74.397 73.457,-74.778 R74.1@73.457,-75.514 74.447,-75.514 74.905,-75.971 74.905,-80.289 75.277,-80.662 U28.4@76.398,-80.662
INPUT_9: P6.15 R82.1 U32.4 | length 45.7
  Top Layer w0.254: P6.15@45.669,-85.268 46.965,-83.972 46.965,-78.689 50.978,-74.676 v1(67.285,-74.676) ; v1(67.285,-71.272) 72.974,-71.272 73.457,-71.755 R82.1@73.457,-73.533 74.498,-73.533 75.311,-74.346 75.311,-76.048 75.446,-76.183 U32.4@76.398,-76.183
  Bottom Layer w0.254: v1(67.285,-74.676) v1(67.285,-71.272)
INPUT_10: P6.16 R50.1 U16.4 | length 59.2
  Top Layer w0.254: P6.16@45.669,-82.728 45.669,-77.978 49.733,-73.914 v1(66.446,-73.914) ; v1(66.446,-52.73) 73.152,-52.73 73.457,-53.035 R50.1@73.457,-53.746 73.711,-54 U16.4@76.347,-54
  Bottom Layer w0.254: v1(66.446,-73.914) v1(66.446,-52.73)
INPUT_11: P6.17
INPUT_12: P1.6 P6.18 | length 9.9
  Top Layer w0.254: P1.6@46.126,-89.967 47.828,-88.265 48.92,-88.265 49.555,-87.63 49.555,-84.074 P6.18@48.209,-82.728
INPUT_13: P1.7 U2.3 | length 43.6
  Top Layer w0.254: v1(47.066,-48.717) U2.3@48.311,-48.717
  Bottom Layer w0.254: v1(47.066,-48.717) 47.066,-87.122 49.626,-89.682 P1.7@49.626,-89.967
INPUT_14: P1.8 U2.2 | length 44.2
  Top Layer w0.254: U2.2@48.311,-49.987 v1(52.095,-49.987)
  Bottom Layer w0.254: v1(52.095,-49.987) 52.095,-86.741 53.126,-87.771 P1.8@53.126,-89.967
INPUT_17: P6.24 R58.1 U20.4 | length 54.5
  Top Layer w0.254: P6.24@55.829,-82.728 55.829,-79.705 58.547,-76.987 v1(69.748,-76.987) ; v1(69.748,-48.209) 73.228,-48.209 73.457,-48.438 R58.1@73.457,-49.276 73.736,-49.555 U20.4@76.347,-49.555
  Bottom Layer w0.254: v1(69.748,-76.987) v1(69.748,-48.209)
INPUT_18: P6.25
INPUT_19: P2.4 U3.3 | length 52.1
  Top Layer w0.254: U3.3@48.311,-55.905 48.336,-55.931 v1(54.61,-55.931)
  Bottom Layer w0.254: v1(54.61,-55.931) 54.61,-86.436 55.69,-87.516 66.012,-87.516 P2.4@68.463,-89.967
INPUT_20: P2.3 P6.31 | length 5.1
  Top Layer w0.254: P2.3@64.963,-89.967 65.989,-88.94 P6.31@65.989,-85.268
INPUT_21: P2.5 U3.2 | length 54.2
  Top Layer w0.254: U3.2@48.311,-57.175 48.336,-57.201 v1(57.175,-57.201)
  Bottom Layer w0.254: v1(57.175,-57.201) 57.175,-86.233 58.052,-87.11 69.106,-87.11 P2.5@71.963,-89.967
INPUT_22: P2.7 U4.3 | length 55.3
  Top Layer w0.254: U4.3@48.311,-63.094 v1(59.715,-63.094)
  Bottom Layer w0.254: v1(59.715,-63.094) 59.715,-86.208 60.211,-86.704 75.7,-86.704 P2.7@78.963,-89.967
INPUT_23: P2.8 U4.2 | length 56.1
  Top Layer w0.254: U4.2@48.311,-64.364 48.336,-64.389 v1(60.477,-64.389)
  Bottom Layer w0.254: v1(60.477,-64.389) 60.477,-78.537 62.179,-80.239 62.179,-85.454 63.023,-86.297 75.293,-86.297 78.691,-86.297 82.36,-89.967 P2.8@82.463,-89.967
INPUT_24: P2.6 P6.35 | length 6.5
  Top Layer w0.254: P6.35@71.069,-85.268 75.463,-89.661 P2.6@75.463,-89.967
JT_KR1: D14.K P47.1 | length 2.6
  Top Layer w0.254: P47.1@106.299,-3.556 106.325,-3.582 D14.K@106.325,-6.172
LDAC: P6.29 U5.13 | length 48.7
  Top Layer w0.254: P6.29@63.449,-85.268 64.745,-83.972 64.745,-81.712 65.278,-81.178 72.525,-81.178 72.792,-81.446 72.792,-85.372 75.406,-87.986 92.761,-87.986 93.878,-86.868 93.878,-79.934 94.59,-79.223 U5.13@96.27,-79.223
LOAD: P6.28 U5.8 | length 47.1
  Top Layer w0.254: P6.28@60.909,-82.728 60.909,-80.467 61.773,-79.604 v1(72.263,-79.604) ; v1(72.263,-81.89) 72.263,-85.417 75.238,-88.392 93.167,-88.392 94.285,-87.274 94.285,-85.979 94.691,-85.573 U5.8@96.27,-85.573
  Bottom Layer w0.254: v1(72.263,-81.89) v1(72.263,-79.604) v1@72.365,-79.705
NetD1_2: D1.2 F1.1 | length 7.9
  Top Layer w0.762: F1.1@10.358,-10.754 10.424,-10.82 10.5,-10.744 11.684,-10.744 14.122,-10.744 15.367,-11.989 D1.2@15.367,-14.313
NetD14_A: D14.A U15.2 | length 30.6
  Top Layer w0.254: U15.2@82.347,-15.723 83.922,-15.723 84.379,-15.265 84.379,-11.963 84.836,-11.506 103.454,-11.506 104.545,-10.415 D14.A@104.545,-6.172
NetD15_A: D15.A U16.2 | length 25.5
  Top Layer w0.254: U16.2@82.347,-51.46 83.845,-51.46 84.557,-50.749 84.557,-49.86 84.836,-49.581 105.968,-49.581 D15.A@106.374,-49.174
NetD18_A: D18.A U18.2 | length 17.7
  Top Layer w0.254: U18.2@82.499,-11.227 83.82,-11.227 85.496,-9.55 95.91,-9.55 96.417,-9.043 D18.A@96.417,-6.172
NetD19_A: D19.A U20.2 | length 26
  Top Layer w0.254: U20.2@82.347,-47.015 84.887,-47.015 85.649,-47.777 105.562,-47.777 106.364,-46.975 D19.A@106.364,-45.618
NetD22_A: D22.A U23.2 | length 6.2
  Top Layer w0.254: U23.2@82.448,-6.782 84.963,-6.782 85.598,-6.147 88.315,-6.147 D22.A@88.34,-6.172
NetD23_A: D23.A U24.2 | length 35.7
  Top Layer w0.254: U24.2@82.398,-82.601 88.468,-82.601 88.9,-82.169 88.9,-78.003 89.56,-77.343 103.149,-77.343 104.267,-78.461 104.267,-84.887 104.902,-85.522 D23.A@106.374,-85.522